# KiCad board Wirebonder.kicad_pcb (continued)
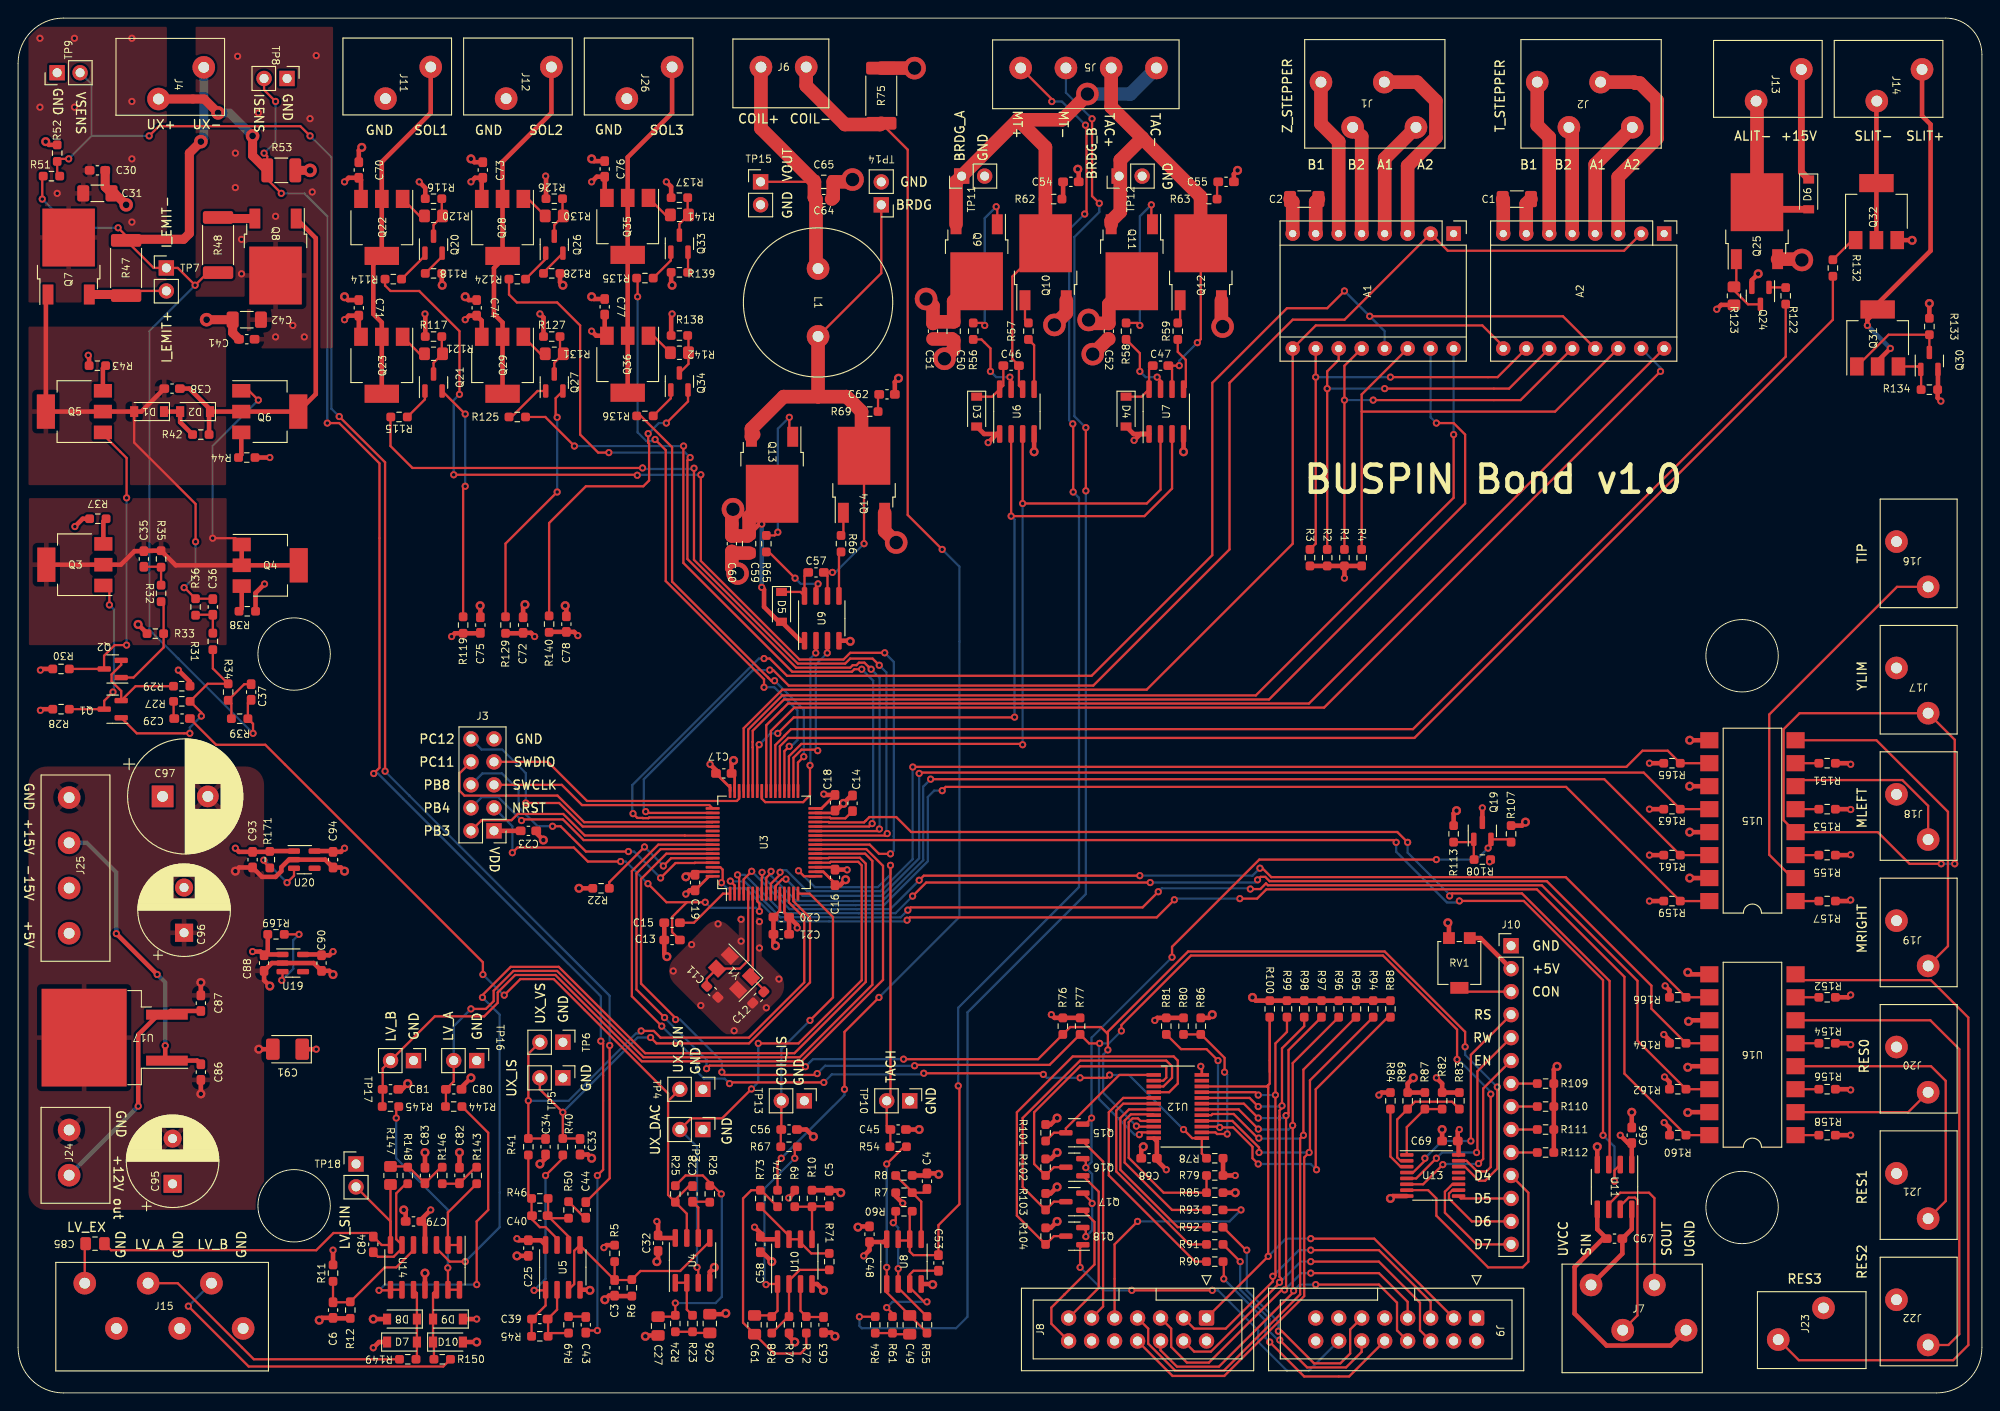
[diagram p0: board, top side]
## Placement (name value [footprint] x y rotation side) (continued)
R115  1k  [R_0603_1608Metric_Pad0.98x0.95mm_HandSolder]  42.09 107.9 180 top
R116  10k  [R_0603_1608Metric_Pad0.98x0.95mm_HandSolder]  45.91 132.03 180 top
R117  10k  [R_0603_1608Metric_Pad0.98x0.95mm_HandSolder]  45.91 116.79 0 top
R118  120R  [R_0603_1608Metric_Pad0.98x0.95mm_HandSolder]  45.91 123.78 180 top
R119  120R  [R_0603_1608Metric_Pad0.98x0.95mm_HandSolder]  49.17 84.9 90 top
R120  470R 1/4W  [R_0805_2012Metric_Pad1.20x1.40mm_HandSolder]  45.91 130.12 180 top
R121  470R 1/4W  [R_0805_2012Metric_Pad1.20x1.40mm_HandSolder]  45.91 114.88 180 top
R122  10k  [R_0603_1608Metric_Pad0.98x0.95mm_HandSolder]  195.32 121.29 270 top
R123  2.2k 1/4W  [R_0805_2012Metric_Pad1.20x1.40mm_HandSolder]  189.6 121.29 270 top
R124  1k  [R_0603_1608Metric_Pad0.98x0.95mm_HandSolder]  55.16 123.14 180 top
R125  1k  [R_0603_1608Metric_Pad0.98x0.95mm_HandSolder]  55.16 107.9 0 top
R126  10k  [R_0603_1608Metric_Pad0.98x0.95mm_HandSolder]  59.25 132.03 180 top
R127  10k  [R_0603_1608Metric_Pad0.98x0.95mm_HandSolder]  58.97 116.79 0 top
R128  120R  [R_0603_1608Metric_Pad0.98x0.95mm_HandSolder]  58.97 123.78 180 top
R129  120R  [R_0603_1608Metric_Pad0.98x0.95mm_HandSolder]  53.86 84.9 90 top
R130  470R 1/4W  [R_0805_2012Metric_Pad1.20x1.40mm_HandSolder]  59.25 130.12 180 top
R131  470R 1/4W  [R_0805_2012Metric_Pad1.20x1.40mm_HandSolder]  59.25 114.88 180 top
R132  1k  [R_0603_1608Metric_Pad0.98x0.95mm_HandSolder]  200.53 124.37 270 top
R133  2.2k  [R_0603_1608Metric_Pad0.98x0.95mm_HandSolder]  211.19 117.91 270 top
R134  18R  [R_0603_1608Metric_Pad0.98x0.95mm_HandSolder]  211.19 110.92 0 top
R135  1k  [R_0603_1608Metric_Pad0.98x0.95mm_HandSolder]  69.27 123.25 180 top
R136  1k  [R_0603_1608Metric_Pad0.98x0.95mm_HandSolder]  69.27 108.02 180 top
R137  10k  [R_0603_1608Metric_Pad0.98x0.95mm_HandSolder]  73.08 132.15 180 top
R138  10k  [R_0603_1608Metric_Pad0.98x0.95mm_HandSolder]  73.08 116.91 0 top
R139  120R  [R_0603_1608Metric_Pad0.98x0.95mm_HandSolder]  73.08 123.89 0 top
R140  120R  [R_0603_1608Metric_Pad0.98x0.95mm_HandSolder]  58.68 85 90 top
R141  470R 1/4W  [R_0805_2012Metric_Pad1.20x1.40mm_HandSolder]  73.08 130.24 180 top
R142  470R 1/4W  [R_0805_2012Metric_Pad1.20x1.40mm_HandSolder]  73.08 115 180 top
R143  1k %1  [R_0603_1608Metric_Pad0.98x0.95mm_HandSolder]  50.67 24.04 90 top
R144  56R  [R_0603_1608Metric_Pad0.98x0.95mm_HandSolder]  48.14 31.66 180 top
R145  56R  [R_0603_1608Metric_Pad0.98x0.95mm_HandSolder]  41.15 31.66 180 top
R146  4.99k %1  [R_0603_1608Metric_Pad0.98x0.95mm_HandSolder]  46.86 24.04 90 top
R147  5.9k %1  [R_0805_2012Metric_Pad1.20x1.40mm_HandSolder]  41.15 24.04 270 top
R148  665R %1  [R_0603_1608Metric_Pad0.98x0.95mm_HandSolder]  43.06 24.04 270 top
R149  2.2k  [R_0603_1608Metric_Pad0.98x0.95mm_HandSolder]  43.06 3.72 180 top
R150  2.2k  [R_0603_1608Metric_Pad0.98x0.95mm_HandSolder]  46.86 3.72 0 top
R151  470R  [R_0603_1608Metric_Pad0.98x0.95mm_HandSolder]  199.9 69.62 180 top
R152  470R  [R_0603_1608Metric_Pad0.98x0.95mm_HandSolder]  199.9 43.74 180 top
R153  470R  [R_0603_1608Metric_Pad0.98x0.95mm_HandSolder]  199.9 64.54 180 top
R154  470R  [R_0603_1608Metric_Pad0.98x0.95mm_HandSolder]  199.9 38.66 180 top
R155  470R  [R_0603_1608Metric_Pad0.98x0.95mm_HandSolder]  199.9 59.46 180 top
R156  470R  [R_0603_1608Metric_Pad0.98x0.95mm_HandSolder]  199.9 33.58 180 top
R157  470R  [R_0603_1608Metric_Pad0.98x0.95mm_HandSolder]  199.9 54.38 180 top
R158  470R  [R_0603_1608Metric_Pad0.98x0.95mm_HandSolder]  199.9 28.5 180 top
R159  10k  [R_0603_1608Metric_Pad0.98x0.95mm_HandSolder]  182.75 54.38 180 top
R160  10k  [R_0603_1608Metric_Pad0.98x0.95mm_HandSolder]  183.39 28.5 180 top
R161  10k  [R_0603_1608Metric_Pad0.98x0.95mm_HandSolder]  182.75 59.46 180 top
R162  10k  [R_0603_1608Metric_Pad0.98x0.95mm_HandSolder]  183.39 33.58 180 top
R163  10k  [R_0603_1608Metric_Pad0.98x0.95mm_HandSolder]  182.75 64.54 180 top
R164  10k  [R_0603_1608Metric_Pad0.98x0.95mm_HandSolder]  183.39 38.66 180 top
R165  10k  [R_0603_1608Metric_Pad0.98x0.95mm_HandSolder]  182.75 69.62 180 top
R166  10k  [R_0603_1608Metric_Pad0.98x0.95mm_HandSolder]  183.39 43.74 180 top
R169  10k  [R_0603_1608Metric_Pad0.98x0.95mm_HandSolder]  28.5 50.7 180 top
R171  10k  [R_0603_1608Metric_Pad0.98x0.95mm_HandSolder]  27.81 58.95 90 top
RV1  10k  [Potentiometer_Bourns_3314G_Vertical]  159.26 47.53 0 top
TP3  TestPoint_2Pole  [PinHeader_1x02_P2.54mm_Vertical]  75.67 29.12 270 top
TP4  TestPoint_2Pole  [PinHeader_1x02_P2.54mm_Vertical]  75.66 33.56 270 top
TP5  TestPoint_2Pole  [PinHeader_1x02_P2.54mm_Vertical]  60.19 34.84 270 top
TP6  TestPoint_2Pole  [PinHeader_1x02_P2.54mm_Vertical]  60.2 38.77 270 top
TP7  TestPoint_2Pole  [PinHeader_1x02_P2.54mm_Vertical]  16.38 124.38 0 top
TP8  TestPoint_2Pole  [PinHeader_1x02_P2.54mm_Vertical]  29.72 145.32 270 top
TP9  TestPoint_2Pole  [PinHeader_1x02_P2.54mm_Vertical]  4.31 145.96 90 top
TP10  TestPoint_2Pole  [PinHeader_1x02_P2.54mm_Vertical]  98.52 32.29 270 top
TP11  TestPoint_2Pole  [PinHeader_1x02_P2.54mm_Vertical]  104.26 134.53 90 top
TP12  TestPoint_2Pole  [PinHeader_1x02_P2.54mm_Vertical]  121.67 134.53 90 top
TP13  TestPoint_2Pole  [PinHeader_1x02_P2.54mm_Vertical]  86.88 32.29 270 top
TP14  TestPoint_2Pole  [PinHeader_1x02_P2.54mm_Vertical]  95.38 131.35 180 top
TP15  TestPoint_2Pole  [PinHeader_1x02_P2.54mm_Vertical]  82.05 133.9 0 top
TP16  TestPoint_2Pole  [PinHeader_1x02_P2.54mm_Vertical]  50.67 36.74 270 top
TP17  TestPoint_2Pole  [PinHeader_1x02_P2.54mm_Vertical]  43.69 36.74 270 top
TP18  TestPoint_2Pole  [PinHeader_1x02_P2.54mm_Vertical]  37.34 25.31 0 top
U3  STM32F446RCTx  [LQFP-64_10x10mm_P0.5mm]  82.42 60.87 90 top
U4  AD8656  [SOIC-8_3.9x4.9mm_P1.27mm]  74.53 14.65 90 top
U5  AD8656  [SOIC-8_3.9x4.9mm_P1.27mm]  60.19 13.88 90 top
U6  IRS2005S  [SOIC-8_3.9x4.9mm_P1.27mm]  110.37 108.5 90 top
U7  IRS2005S  [SOIC-8_3.9x4.9mm_P1.27mm]  126.88 108.5 90 top
U8  MCP6282  [SOIC-8_3.9x4.9mm_P1.27mm]  97.89 14.51 90 top
U9  IRS2005S  [SOIC-8_3.9x4.9mm_P1.27mm]  88.8 85.64 90 top
U10  MCP6282  [SOIC-8_3.9x4.9mm_P1.27mm]  85.82 14.51 90 top
U11  ISO7221  [SOIC-8_3.9x4.9mm_P1.27mm]  176.41 22.77 270 top
U12  PCA9535  [QSOP-24_3.9x8.7mm_P0.635mm]  128.15 31.66 180 top
U13  PCA9538  [TSSOP-16_4.4x5mm_P0.65mm]  156.31 24.04 0 top
U14  MC33204  [SOIC-14_3.9x8.7mm_P1.27mm]  44.96 13.88 270 top
U15  LTV-847S  [SMDIP-16_W9.53mm]  191.65 63.27 180 top
U16  LTV-847S  [SMDIP-16_W9.53mm]  191.65 37.39 180 top
U17  L7812  [TO-263-2]  10.67 39.28 180 top
U19  TLV70033_SOT23-5  [SOT-23-5]  30.36 47.53 0 top
U20  TLV73333PDBV  [SOT-23-5]  31.62 58.95 0 top
Y1  8MHz 85ohms  [Crystal_SMD_5032-4Pin_5.0x3.2mm]  79.11 46.45 135 top

## Library data of the parts
C1 C2 C31 C42 = -: Link: https://ozdisan.com/passive-components/capacitors/smt-smd-and-mlcc-capacitors/CL31A106KBHNNNE; Price: 0.10490
C3-C6 C15 C20 C29 C43 C44 C86 C88 C90 C93 C94 = -: Link: https://ozdisan.com/passive-components/capacitors/smt-smd-and-mlcc-capacitors/CL10B105KA8NNNC; Price: 0.00926
C11 C12 = -: Link: https://ozdisan.com/passive-components/capacitors/smt-smd-and-mlcc-capacitors/CL10C180JB8NNNC; Price: 0.00487
C13 C16-C19 C21 C23 C25 C30 C32 C38 C41 C45-C48 C51-C53 C56-C58 C60 C64 C66-C81 C87 = -: Link: https://ozdisan.com/passive-components/capacitors/smt-smd-and-mlcc-capacitors/CL10B104KB8NNNC; Price: 0.00448
C14 = -: Link: https://ozdisan.com/passive-components/capacitors/smt-smd-and-mlcc-capacitors/CL10A475KQ8NNNC; Price: 0.01079
C26 C27 = -: Link: https://ozdisan.com/passive-components/capacitors/smt-smd-and-mlcc-capacitors/CL21B682JBANNNC; Price: 0.06185
C28 = -: Link: https://ozdisan.com/passive-components/capacitors/smt-smd-and-mlcc-capacitors/CL10C681JB8NNNC; Price: 0.01257
C33 C34 = -: Link: https://ozdisan.com/passive-components/capacitors/smt-smd-and-mlcc-capacitors/CL10C103JA8NNNC; Price: 0.07588
C35-C37 C39 C40 = -: Link: https://ozdisan.com/passive-components/capacitors/smt-smd-and-mlcc-capacitors/CL10C120JB8NNNC; Price: 0.00532
C49 = -: Link: https://ozdisan.com/passive-components/capacitors/smt-smd-and-mlcc-capacitors/CL21B124JACNNNC; Price: 0.03221
C50 C59 C65 C85 = -: Link: https://ozdisan.com/passive-components/capacitors/smt-smd-and-mlcc-capacitors/CL21A106KAYNNNE; Price: 0.04807
C54 C55 C62 = -: Link: https://ozdisan.com/passive-components/capacitors/smt-smd-and-mlcc-capacitors/CL10B102KB8NNNC; Price: 0.00532
C61 = -: Link: https://ozdisan.com/passive-components/capacitors/smt-smd-and-mlcc-capacitors/CL21B123KBANNNC; Price: 0.05173
C63 C84 = -: Link: https://ozdisan.com/passive-components/capacitors/smt-smd-and-mlcc-capacitors/GRM1885C1H103JA01D; Price: 0.04050
C82 = -: Link: https://ozdisan.com/passive-components/capacitors/smt-smd-and-mlcc-capacitors/06035C223JAT2A; Price: 0.03087
C83 = -: Link: https://ozdisan.com/passive-components/capacitors/smt-smd-and-mlcc-capacitors/CL10B683KB8NNNC; Price: 0.00772
C91 = -: Link: https://ozdisan.com/passive-components/capacitors/tantalum-capacitors/T491B475M020AT; Price: 0.20620
C95 C96 = -: Link: https://ozdisan.com/passive-components/capacitors/aluminum-capacitors/PKLH-025V102MG200-TA5-0; Price: 0.13444
C97 = -: Link: https://ozdisan.com/passive-components/capacitors/aluminum-capacitors/PKLH-025V222MI220-TA5-0; Price: 0.29935
D1-D10 = -: Link: https://ozdisan.com/power-semiconductors/diodes-diode-modules-and-rectifiers/general-purpose-diodes/1N4148W-HT; Price: 0.01562
J1 J2 J7 = -: Link: https://ozdisan.com/Product/Detail/652297/DG250-3-5-04P-11-00AH; Price: 0.28808
J4 J11-J14 J16-J23 J26 = -: Link: https://ozdisan.com/connectors-and-interconnects/terminal-blocks/pcb-terminal-blocks/DG250-3-5-02P-11-00AH; Price: 0.10187
J5 J25 = -: Link: https://ozdisan.com/connectors-and-interconnects/terminal-blocks/pcb-terminal-blocks/DG301-5-0-04P-12-00AH; Price: 0.21126
J6 J24 = -: Link: https://ozdisan.com/connectors-and-interconnects/terminal-blocks/pcb-terminal-blocks/DG301-5-0-02P-12-00AH; Price: 0.11212
J8 = -: Link: https://ozdisan.com/connectors-and-interconnects/headers/box-headers/5BH1SDD88-14G05AL-00; Price: 0.14237
J9 = -: Link: https://ozdisan.com/connectors-and-interconnects/headers/box-headers/DS1013-16SSIB1; Price: 0.09492
J10 = -: Link: https://ozdisan.com/connectors-and-interconnects/headers/pin-headers/DS1021-1X14SF11-B; Price: 0.09638
J15 = -: Link: https://ozdisan.com/connectors-and-interconnects/terminal-blocks/pcb-terminal-blocks/DG250-3-5-06P-11-00AH; Price: 0.28808
L1 = -: Current: 5A; Inductance: 100uH; Link: https://ozdisan.com/passive-components/inductors/fixed-inductors/RC1415U-101K; Price: 1.21707
Q1 Q2 Q19 Q20 Q24 Q26 Q33 = -: Link: https://ozdisan.com/power-semiconductors/transistors/discrete-transistors/BC817-40215; Price: 0.02586
Q3 Q5 Q22 Q28 Q31 Q35 = -: Link: https://ozdisan.com/power-semiconductors/transistors/discrete-transistors/BCP53-16115; Price: 0.13099
Q4 Q6 Q23 Q29 Q32 Q36 = -: Link: https://ozdisan.com/power-semiconductors/transistors/discrete-transistors/BCP56-16115; Price: 0.13110
Q7 = -: Link: https://ozdisan.com/Product/Detail/448870/MJD45H11T4G; Price: 0.55649
Q8 = -: Link: https://ozdisan.com/Product/Detail/448869/MJD44H11T4G; Price: 0.39273
Q9-Q14 = -: Link: https://ozdisan.com/power-semiconductors/mosfets/discrete-mosfets/P25B6EB-5071; Price: 0.76360
Q15-Q18 Q21 Q27 Q30 Q34 = -: Link: https://ozdisan.com/power-semiconductors/transistors/discrete-transistors/BC807-40215; Price: 0.02281
Q25 = -: Link: https://ozdisan.com/power-semiconductors/mosfets/discrete-mosfets/FDD3860; Price: 1.00545
R1-R12 R22 R78 R84-R89 R94-R104 R107 R109-R112 R116 R117 R122 R126 R127 R137 R138 R159-R166 R169 R171 = -: Link: https://ozdisan.com/passive-components/resistors/smt-smd-and-chip-resistors/0603SAF1002T5E; Price: 0.00221
R23 R26 = -: Link: https://ozdisan.com/passive-components/resistors/smt-smd-and-chip-resistors/0603SAF5360T5E; Price: 0.00221
R24 = -: Link: https://ozdisan.com/passive-components/resistors/smt-smd-and-chip-resistors/0603SAF8870T5E; Price: 0.00221
R25 = -: Link: https://ozdisan.com/passive-components/resistors/smt-smd-and-chip-resistors/0603SAF1431T5E; Price: 0.00221
R27 R33 = -: Link: https://ozdisan.com/passive-components/resistors/smt-smd-and-chip-resistors/0603SAF6800T5E; Price: 0.00221
R28 R30 R90-R93 R151-R158 = -: Link: https://ozdisan.com/passive-components/resistors/smt-smd-and-chip-resistors/0603SAF4700T5E; Price: 0.00221
R29 = -: Link: https://ozdisan.com/passive-components/resistors/smt-smd-and-chip-resistors/0603SAF3301T5E; Price: 0.00221
R31 R32 R34 R42 R79-R83 = -: Link: https://ozdisan.com/passive-components/resistors/smt-smd-and-chip-resistors/0603SAJ0000TDE; Price: 0.00221
R35 R36 = -: Link: https://ozdisan.com/passive-components/resistors/smt-smd-and-chip-resistors/0603SAJ0105T5E; Price: 0.00169
R37 R38 R43 R44 R62 R63 R69 = -: Link: https://ozdisan.com/passive-components/resistors/smt-smd-and-chip-resistors/0603SAF470JT5E; Price: 0.00221
R39 R45 R46 = -: Link: https://ozdisan.com/passive-components/resistors/smt-smd-and-chip-resistors/0603SAF8201T5E; Price: 0.00221
R40 R41 R54 R67 R144 R145 = -: Link: https://ozdisan.com/passive-components/resistors/smt-smd-and-chip-resistors/0603SAF560JT5E; Price: 0.00221
R47 R48 = -: Link: https://ozdisan.com/passive-components/resistors/smt-smd-and-chip-resistors/25121WF330LT4E; Price: 0.10712
R49 R51 R76 R77 R133 R149 R150 = -: Link: https://ozdisan.com/passive-components/resistors/smt-smd-and-chip-resistors/0603SAF2201T5E; Price: 0.00221
R50 = -: Link: https://ozdisan.com/passive-components/resistors/smt-smd-and-chip-resistors/0603SAF2151T5E; Price: 0.00221
R52 = -: Link: https://ozdisan.com/passive-components/resistors/smt-smd-and-chip-resistors/0603SAF619JT5E; Price: 0.00221
R53 = -: Link: https://ozdisan.com/passive-components/resistors/smt-smd-and-chip-resistors/CQ07S3F100KT5E; Price: 0.05112
R55 R146 = -: Link: https://ozdisan.com/passive-components/resistors/smt-smd-and-chip-resistors/0603SAF4991T5E; Price: 0.002221
R56-R59 R65 R66 = -: Link: https://ozdisan.com/passive-components/resistors/smt-smd-and-chip-resistors/0603SAJ082JT5E; Price: 0.00168
R60 = -: Link: https://ozdisan.com/passive-components/resistors/smt-smd-and-chip-resistors/0603SAF2491T5E; Price: 0.002221
R61 = -: Link: https://ozdisan.com/passive-components/resistors/smt-smd-and-chip-resistors/0603SAF3162T5E; Price: 0.00221
R64 = -: Link: https://ozdisan.com/passive-components/resistors/smt-smd-and-chip-resistors/0603SAF6651T5E; Price: 0.002221
R68 = -: Link: https://ozdisan.com/passive-components/resistors/smt-smd-and-chip-resistors/0603SAF3322T5E; Price: 0.00221
R70 R74 = -: Link: https://ozdisan.com/passive-components/resistors/smt-smd-and-chip-resistors/0603SAF4871T5E; Price: 0.00221
R71 R73 = -: Link: https://ozdisan.com/passive-components/resistors/smt-smd-and-chip-resistors/0603SAF1432T5E; Price: 0.00221
R72 = -: Link: https://ozdisan.com/passive-components/resistors/smt-smd-and-chip-resistors/0603SAF5762T5E; Price: 0.00221
R75 = -: Link: https://ozdisan.com/passive-components/resistors/precision-power-and-shunt-resistors/CMS-R100-1-0-3000; Price: 0.57604
R108 R114 R115 R124 R125 R132 R135 R136 R143 = -: Link: https://ozdisan.com/passive-components/resistors/smt-smd-and-chip-resistors/0603SAF1001T5E; Price: 0.00221
R113 = -: Link: https://ozdisan.com/passive-components/resistors/smt-smd-and-chip-resistors/0603SAJ0472T5E; Price: 0.00169
R118 R119 R128 R129 R139 R140 = -: Link: https://ozdisan.com/passive-components/resistors/smt-smd-and-chip-resistors/0603WAJ0121T5E; Price: 0.00169
R120 R121 R130 R131 R141 R142 = -: Link: https://ozdisan.com/passive-components/resistors/smt-smd-and-chip-resistors/HP05W3F4700T5E; Price: 0.01040
R123 = -: Link: https://ozdisan.com/passive-components/resistors/smt-smd-and-chip-resistors/HP05W3F2201T5E; Price: 0.01040
R134 = -: Link: https://ozdisan.com/passive-components/resistors/smt-smd-and-chip-resistors/0603SAJ0180T5E; Price: 0.00169
R147 = -: Link: https://ozdisan.com/passive-components/resistors/smt-smd-and-chip-resistors/0805S8F5901T5E; Price: 0.00377
R148 = -: Link: https://ozdisan.com/passive-components/resistors/smt-smd-and-chip-resistors/0603SAF6650T5E; Price: 0.00221
RV1 = -: Link: https://ozdisan.com/electromechanical-components/potentiometers-and-variable-resistors/trimmer-potentiometers/3313J-1-103E; Price: 0.58363
TP3-TP18 = -: Link: https://ozdisan.com/connectors-and-interconnects/headers/pin-headers/L-KLS1-207-1-02-S; Price: 0.1293
U3 = -: Link: https://ozdisan.com/integrated-circuits-ics/embedded-ics/microcontrollers/STM32F446RCT6; Price: 14.41001
U4 U5 = -: Link: https://ozdisan.com/integrated-circuits-ics/linear-ics/amplifiers/AD8656ARZ-REEL7; Price: 5.66346
U6 U7 U9 = -: Link: https://ozdisan.com/integrated-circuits-ics/power-management-ics/power-drivers/IRS2005STRPBF; Price: 1.63317
U8 U10 = -: Link: https://ozdisan.com/integrated-circuits-ics/linear-ics/amplifiers/MCP6282T-ESN; Price: 1.96988
U11 = -: Link: https://ozdisan.com/integrated-circuits-ics/interfaces-and-peripherals-ics/digital-isolators/ISO7221ADR; Price: 4.9247
U12 = -: Link: https://ozdisan.com/integrated-circuits-ics/interfaces-and-peripherals-ics/io-expanders/PCA9535DBQR; Price: 1.99925
U13 = -: Link: https://ozdisan.com/integrated-circuits-ics/interfaces-and-peripherals-ics/io-expanders/PCA9538PWR; Price: 1.83073
U14 = -: Link: https://ozdisan.com/integrated-circuits-ics/linear-ics/amplifiers/MC33204DR2G; Price: 1.34167
U15 U16 = -: Link: https://ozdisan.com/Product/Detail/362511/LTV-847S; Price: 0.47358
U17 = -: Link: https://ozdisan.com/integrated-circuits-ics/power-management-ics/linear-voltage-regulators/L7812CD2T-TR; Price: 0.46966
U19 = -: Link: https://ozdisan.com/integrated-circuits-ics/power-management-ics/linear-voltage-regulators/TLV70033DDCR; Price: 0.22709
U20 = -: Link: https://ozdisan.com/Product/Detail/532538/TLV73333PDBVR; Price: 0.16754
Y1 = -: Link: https://ozdisan.com/passive-components/crystals-oscillators-and-resonators/crystals/H130B-8-000-18-3030-EXT-; Price: 0.44011

## Footprints (pads in the part's own frame, mm; a bottom-side part is the same pattern mirrored in y, then rotated)
C_0603_1608Metric_Pad1.08x0.95mm_HandSolder
  rrect 1.075x0.95 smd: 1(-0.863,0) 2(0.863,0)
C_0805_2012Metric_Pad1.18x1.45mm_HandSolder
  rrect 1.175x1.45 smd: 1(-1.038,0) 2(1.038,0)
C_1206_3216Metric_Pad1.33x1.80mm_HandSolder
  rrect 1.325x1.8 smd: 1(-1.562,0) 2(1.562,0)
CP_EIA-3528-21_Kemet-B_Pad1.50x2.35mm_HandSolder
  rrect 1.5x2.35 smd: 1(-1.625,0) 2(1.625,0)
CP_Radial_D10.0mm_P5.00mm
  rect 2x2 hole 1: 1(0,0)
  round 2 hole 1: 2(5,0)
CP_Radial_D12.5mm_P5.00mm
  rect 2.4x2.4 hole 1.2: 1(0,0)
  round 2.4 hole 1.2: 2(5,0)
Crystal_SMD_5032-4Pin_5.0x3.2mm
  rect 1.6x1.3 smd: 1(-1.65,-1) 2(1.65,-1) 3(1.65,1) 4(-1.65,1)
D_SOD-123
  rect 0.9x1.2 smd: 1(-1.65,0) 2(1.65,0)
DG250-3-5-02P-11-00AH
  round 2.5 hole 1.2: 1(-1.75,3) 2(1.75,-2)
DG250-3-5-04P-11-00AH
  round 2.5 hole 1.2: 1(-5.25,2.5) 2(-1.75,-2.5) 3(1.75,2.5) 4(5.25,-2.5)
DG250-3-5-06P-11-00AH
  round 2.5 hole 1.2: 1(-8.75,2.5) 2(-5.25,-2.5) 3(-1.75,2.5) 4(1.75,-2.5) 5(5.25,2.5) 6(8.75,-2.5)
DG301-5.0-02P-12-00AH
  round 2.5 hole 1.2: 1(-2.5,0) 2(2.5,0)
DG301-5.0-04P-12-00AH
  round 2.5 hole 1.2: 1(-7.8,0.1) 2(-2.8,0.1) 3(2.2,0.1) 4(7.2,0.1)
DG301-5.0-04P-12-00AH#2
  round 2.5 hole 1.2: 1(-7.5,0) 2(-2.5,0) 3(2.5,0) 4(7.5,0)
IDC-Header_2x07_P2.54mm_Vertical
  rrect 1.7x1.7 hole 1: 1(0,0)
  round 1.7 hole 1: 2(2.54,0) 3(0,-2.54) 4(2.54,-2.54) 5(0,-5.08) 6(2.54,-5.08) 7(0,-7.62) 8(2.54,-7.62) 9(0,-10.16) 10(2.54,-10.16) 11(0,-12.7) 12(2.54,-12.7) 13(0,-15.24) 14(2.54,-15.24)
IDC-Header_2x08_P2.54mm_Vertical
  rrect 1.7x1.7 hole 1: 1(0,0)
  round 1.7 hole 1: 2(2.54,0) 3(0,-2.54) 4(2.54,-2.54) 5(0,-5.08) 6(2.54,-5.08) 7(0,-7.62) 8(2.54,-7.62) 9(0,-10.16) 10(2.54,-10.16) 11(0,-12.7) 12(2.54,-12.7) 13(0,-15.24) 14(2.54,-15.24) 15(0,-17.78) 16(2.54,-17.78)
LQFP-64_10x10mm_P0.5mm
  rrect 1.55x0.3 smd: 1(-5.675,3.75) 2(-5.675,3.25) 3(-5.675,2.75) 4(-5.675,2.25) 5(-5.675,1.75) 6(-5.675,1.25) 7(-5.675,0.75) 8(-5.675,0.25) 9(-5.675,-0.25) 10(-5.675,-0.75) 11(-5.675,-1.25) 12(-5.675,-1.75) 13(-5.675,-2.25) 14(-5.675,-2.75) 15(-5.675,-3.25) 16(-5.675,-3.75) 33(5.675,-3.75) 34(5.675,-3.25) 35(5.675,-2.75) 36(5.675,-2.25) 37(5.675,-1.75) 38(5.675,-1.25) 39(5.675,-0.75) 40(5.675,-0.25) 41(5.675,0.25) 42(5.675,0.75) 43(5.675,1.25) 44(5.675,1.75) 45(5.675,2.25) 46(5.675,2.75) 47(5.675,3.25) 48(5.675,3.75)
  rrect 0.3x1.55 smd: 17(-3.75,-5.675) 18(-3.25,-5.675) 19(-2.75,-5.675) 20(-2.25,-5.675) 21(-1.75,-5.675) 22(-1.25,-5.675) 23(-0.75,-5.675) 24(-0.25,-5.675) 25(0.25,-5.675) 26(0.75,-5.675) 27(1.25,-5.675) 28(1.75,-5.675) 29(2.25,-5.675) 30(2.75,-5.675) 31(3.25,-5.675) 32(3.75,-5.675) 49(3.75,5.675) 50(3.25,5.675) 51(2.75,5.675) 52(2.25,5.675) 53(1.75,5.675) 54(1.25,5.675) 55(0.75,5.675) 56(0.25,5.675) 57(-0.25,5.675) 58(-0.75,5.675) 59(-1.25,5.675) 60(-1.75,5.675) 61(-2.25,5.675) 62(-2.75,5.675) 63(-3.25,5.675) 64(-3.75,5.675)
PinHeader_1x02_P2.54mm_Vertical
  rect 1.7x1.7 hole 1: 1(0,0)
  oval 1.7x1.7 hole 1: 2(0,-2.54)
PinHeader_1x14_P2.54mm_Vertical
  rect 1.7x1.7 hole 1: 1(0,0)
  oval 1.7x1.7 hole 1: 2(0,-2.54) 3(0,-5.08) 4(0,-7.62) 5(0,-10.16) 6(0,-12.7) 7(0,-15.24) 8(0,-17.78) 9(0,-20.32) 10(0,-22.86) 11(0,-25.4) 12(0,-27.94) 13(0,-30.48) 14(0,-33.02)
PinHeader_2x05_P2.54mm_Vertical
  rect 1.7x1.7 hole 1: 1(0,0)
  oval 1.7x1.7 hole 1: 2(2.54,0) 3(0,-2.54) 4(2.54,-2.54) 5(0,-5.08) 6(2.54,-5.08) 7(0,-7.62) 8(2.54,-7.62) 9(0,-10.16) 10(2.54,-10.16)
Pololu_Breakout-16_15.2x20.3mm
  rect 1.6x1.6 hole 0.8: 1(0,0)
  oval 1.6x1.6 hole 0.8: 2(0,-2.54) 3(0,-5.08) 4(0,-7.62) 5(0,-10.16) 6(0,-12.7) 7(0,-15.24) 8(0,-17.78) 9(12.7,-17.78) 10(12.7,-15.24) 11(12.7,-12.7) 12(12.7,-10.16) 13(12.7,-7.62) 14(12.7,-5.08) 15(12.7,-2.54) 16(12.7,0)
Potentiometer_Bourns_3314G_Vertical
  rect 1.3x1.3 smd: 1(1.15,2.75) 3(-1.15,2.75)
  rect 2x1.3 smd: 2(0,-2.75)
QSOP-24_3.9x8.7mm_P0.635mm
  rect 1.6x0.41 smd: 1(-2.654,3.493) 2(-2.654,2.857) 3(-2.654,2.223) 4(-2.654,1.587) 5(-2.654,0.953) 6(-2.654,0.318) 7(-2.654,-0.318) 8(-2.654,-0.953) 9(-2.654,-1.587) 10(-2.654,-2.223) 11(-2.654,-2.857) 12(-2.654,-3.493) 13(2.654,-3.493) 14(2.654,-2.857) 15(2.654,-2.223) 16(2.654,-1.587) 17(2.654,-0.953) 18(2.654,-0.318) 19(2.654,0.318) 20(2.654,0.953) 21(2.654,1.587) 22(2.654,2.223) 23(2.654,2.857) 24(2.654,3.493)
R_0603_1608Metric_Pad0.98x0.95mm_HandSolder
  rrect 0.975x0.95 smd: 1(-0.912,0) 2(0.912,0)
R_0805_2012Metric_Pad1.20x1.40mm_HandSolder
  rrect 1.2x1.4 smd: 1(-1,0) 2(1,0)
R_1210_3225Metric_Pad1.30x2.65mm_HandSolder
  rrect 1.3x2.65 smd: 1(-1.55,0) 2(1.55,0)
R_2512_6332Metric_Pad1.40x3.35mm_HandSolder
  rrect 1.4x3.35 smd: 1(-3.05,0) 2(3.05,0)
RC1415U-101K
  round 2.5 hole 1.2: 1(-3.75,0) 2(3.75,0)
SMDIP-16_W9.53mm
  rect 2x1.78 smd: 1(-4.765,8.89) 2(-4.765,6.35) 3(-4.765,3.81) 4(-4.765,1.27) 5(-4.765,-1.27) 6(-4.765,-3.81) 7(-4.765,-6.35) 8(-4.765,-8.89) 9(4.765,-8.89) 10(4.765,-6.35) 11(4.765,-3.81) 12(4.765,-1.27) 13(4.765,1.27) 14(4.765,3.81) 15(4.765,6.35) 16(4.765,8.89)
SOIC-8_3.9x4.9mm_P1.27mm
  rrect 1.95x0.6 smd: 1(-2.475,1.905) 2(-2.475,0.635) 3(-2.475,-0.635) 4(-2.475,-1.905) 5(2.475,-1.905) 6(2.475,-0.635) 7(2.475,0.635) 8(2.475,1.905)
SOIC-14_3.9x8.7mm_P1.27mm
  rrect 1.95x0.6 smd: 1(-2.475,3.81) 2(-2.475,2.54) 3(-2.475,1.27) 4(-2.475,0) 5(-2.475,-1.27) 6(-2.475,-2.54) 7(-2.475,-3.81) 8(2.475,-3.81) 9(2.475,-2.54) 10(2.475,-1.27) 11(2.475,0) 12(2.475,1.27) 13(2.475,2.54) 14(2.475,3.81)
SOT-23
  rrect 1.475x0.6 smd: 1(-0.938,0.95) 2(-0.938,-0.95) 3(0.938,0)
SOT-23-5
  rrect 1.325x0.6 smd: 1(-1.137,0.95) 2(-1.137,0) 3(-1.137,-0.95) 4(1.137,-0.95) 5(1.137,0.95)
SOT-223
  rect 2x1.5 smd: 1(-3.15,2.3) 2(-3.15,0) 3(-3.15,-2.3)
  rect 2x3.8 smd: 4(3.15,0)
TO-252-2
  rect 3.05x2.75 smd: (0.425,1.525) (0.425,-1.525) (3.775,1.525) (3.775,-1.525)
  rect 2.2x1.2 smd: 1(-4.2,2.28) 3(-4.2,-2.28)
  rect 6.4x5.8 smd: 2(2.1,0)
TO-263-2
  rect 4.55x5.25 smd: (0.95,2.775) (0.95,-2.775) (5.8,2.775) (5.8,-2.775)
  rect 4.6x1.1 smd: 1(-5.775,2.54) 3(-5.775,-2.54)
  rect 9.4x10.8 smd: 2(3.375,0)
TSSOP-16_4.4x5mm_P0.65mm
  rrect 1.475x0.4 smd: 1(-2.862,2.275) 2(-2.862,1.625) 3(-2.862,0.975) 4(-2.862,0.325) 5(-2.862,-0.325) 6(-2.862,-0.975) 7(-2.862,-1.625) 8(-2.862,-2.275) 9(2.862,-2.275) 10(2.862,-1.625) 11(2.862,-0.975) 12(2.862,-0.325) 13(2.862,0.325) 14(2.862,0.975) 15(2.862,1.625) 16(2.862,2.275)

## Nets
+5V: C88.2 C93.2 C95.1 J10.2 J25.1 Q19.3 Q30.2 R108.1 R134.2 R151.1 R152.1 R153.1 R154.1 R155.1 R156.1 R157.1 R158.1 R169.2 R171.2 RV1.1 U19.1 U20.1
+12V: C87.1 J24.1 U17.3
+15V: A1.8 A2.8 C1.2 C2.2 C30.1 C31.1 C50.1 C51.1 C52.1 C59.1 C60.1 C70.1 C73.1 C76.1 C86.2 C97.1 D3.2 D4.2 D5.2 D6.1 J13.1 J25.3 Q7.2 Q9.2 Q11.2 Q13.2 Q22.3 Q28.3 Q35.3 R28.2 R30.2 R37.2 R43.2 R116.2 R123.2 R126.2 R137.2 U6.1 U7.1 U9.1 U17.1
-15V: C41.1 C42.1 C71.2 C74.2 C77.2 C96.2 J25.2 Q8.2 Q23.3 Q29.3 Q36.3 R29.1 R38.1 R44.1 R117.1 R127.1 R138.1
GND: A1.1 A1.7 A2.1 A2.7 C1.1 C2.1 C3.1 C4.1 C5.1 C6.1 C11.1 C12.1 C13.1 C14.2 C15.1 C16.1 C17.1 C18.1 C19.1 C20.2 C21.2 C23.1 C25.1 C26.2 C27.2 C30.2 C31.2 C32.1 C33.1 C34.1 C41.2 C42.2 C45.2 C48.1 C50.2 C51.2 C52.2 C54.2 C55.2 C56.2 C58.1 C59.2 C60.2 C62.2 C63.1 C64.2 C65.2 C66.2 C68.2 C69.1 C70.2 C71.1 C72.2 C73.2 C74.1 C75.2 C76.2 C77.1 C78.2 C79.2 C80.2 C81.2 C82.2 C83.2 C86.1 C87.2 C88.1 C90.1 C91.2 C93.1 C94.1 C95.2 C96.1 C97.2 D8.2 D10.2 J3.9 J8.2 J9.2 J10.1 J11.2 J12.2 J15.2 J15.4 J15.6 J16.2 J17.2 J18.2 J19.2 J20.2 J21.2 J22.2 J23.2 J24.2 J25.4 J26.2 Q10.3 Q12.3 Q14.3 Q24.2 Q25.3 Q32.3 R6.2 R8.2 R10.2 R12.2 R22.2 R33.1 R52.2 R53.2 R70.2 R75.2 R85.2 R86.2 R87.2 R88.2 R89.2 R94.1 R95.1 R96.1 R97.1 R98.1 R99.1 R100.1 R101.1 R102.1 R103.1 R104.1 R107.2 R109.2 R110.2 R111.2 R112.2 R113.2 R118.1 R128.1 R133.1 R139.1 RV1.3 TP3.1 TP4.1 TP5.1 TP6.1 TP8.1 TP9.1 TP10.1 TP11.2 TP12.2 TP13.1 TP14.2 TP15.2 TP16.1 TP17.1 TP18.1 U3.12 U3.18 U3.31 U3.47 U3.63 U4.4 U5.4 U6.4 U7.4 U8.4 U9.4 U10.4 U11.4 U12.12 U13.8 U14.11 U15.9 U15.11 U15.13 U15.15 U16.9 U16.11 U16.13 U16.15 U17.2 U19.2 U20.2 Y1.2 Y1.4
VDD: C16.2 C17.2 C18.2 C19.2 C23.2 C66.1 C68.1 C69.2 C72.1 C75.1 C78.1 C94.2 J3.1 R1.2 R2.2 R3.2 R4.2 R76.2 R77.2 R78.1 R79.2 R80.2 R81.2 R82.2 R83.2 R84.1 R119.1 R129.1 R140.1 R159.2 R160.2 R161.2 R162.2 R163.2 R164.2 R165.2 R166.2 U3.19 U3.32 U3.48 U3.64 U11.1 U12.24 U13.16 U20.5
VDDA: C20.1 C21.1 C25.2 C32.2 C48.2 C58.2 C79.1 C90.2 C91.1 D7.1 D9.1 R5.1 R7.1 R9.1 R11.1 U3.13 U4.8 U5.8 U8.8 U10.8 U14.4 U19.5
/contact_sensors/MOUSE_LEFT: R163.1 U3.11 U15.12
/contact_sensors/MOUSE_RIGHT: R165.1 U3.10 U15.10
/contact_sensors/RES0: R160.1 U3.62 U16.16
/contact_sensors/RES1: R162.1 U3.2 U16.14
/contact_sensors/RES2: R164.1 U3.3 U16.12
/contact_sensors/RES3: R166.1 U3.4 U16.10
/contact_sensors/TIP: R159.1 U3.8 U15.16
/contact_sensors/Y_LIM: R161.1 U3.9 U15.14
/drives/AREALIGHT_nPWM: R122.2 U3.38
/drives/nAREALIGHT: D6.2 J13.2 Q25.2
/drives/nSPOTLIGHT: J14.2 Q32.2 Q32.4
/drives/SOL1: J11.1 Q22.2 Q22.4 Q23.2 Q23.4
/drives/SOL1H: R114.2 U3.24
/drives/SOL1L: R115.2 U3.26
/drives/SOL2: J12.1 Q28.2 Q28.4 Q29.2 Q29.4
/drives/SOL2H: R124.2 U3.27
/drives/SOL2L: R125.2 U3.28
/drives/SOL3: J26.1 Q35.2 Q35.4 Q36.2 Q36.4
/drives/SOL3H: R135.2 U3.36
/drives/SOL3L: R136.2 U3.33
/drives/SPOTLIGHT: J14.1 Q31.2 Q31.4
/drives/SPOTLIGHT_PWM: R132.2 U3.37
/force_coil/ISENS: C56.1 R67.1 TP13.2 U3.16
/force_coil/nPWM: U3.34 U9.3
/force_coil/PWM: U3.41 U9.2
/interface/D4: J10.11 U13.7
/interface/D5: J10.12 U13.9
/interface/D6: J10.13 U13.10
/interface/D7: J10.14 U13.11
/interface/EN: J10.6 U13.6
/interface/INT: R78.2 U3.57 U12.1
/interface/RS: J10.4 U13.4
/interface/RW: J10.5 U13.5
/interface/SCL: R76.1 U3.58 U12.22 U13.14
/interface/SDA: R77.1 U3.59 U12.23 U13.15
/lvdt/A: C80.1 R144.2 TP16.2 U3.22
/lvdt/B: C81.1 R145.2 TP17.2 U3.23
/lvdt/SIGNAL: U3.21 U14.3
/mcu/NRST: C13.2 J3.3 U3.7
/mcu/PB3: J3.2 U3.55
/mcu/PB4: J3.4 U3.56
/mcu/PB8: J3.6 U3.61
/mcu/PC11: J3.8 U3.52
/mcu/PC12: J3.10 U3.53
/mcu/SERIAL_RX: U3.25 U11.2
/mcu/SERIAL_TX: U3.29 U11.3
/mcu/STEPPER_EN: A1.9 A2.9 U3.45
/mcu/STEPPER_FAULT: A1.2 A2.2 U3.50
/mcu/STEPPER_RESET: A1.13 A2.13 U3.51
/mcu/STEPPER_TEAR_DIR: A2.16 U3.40
/mcu/STEPPER_TEAR_STEP: A2.15 U3.39
/mcu/STEPPER_Y_DIR: A1.16 U3.44
/mcu/STEPPER_Y_STEP: A1.15 U3.43
/mcu/SWCLK: J3.5 U3.49
/mcu/SWDIO: J3.7 U3.46
/mcu/ULTRASONIC_ISENS: C33.2 R40.1 TP5.2 U3.15
/mcu/ULTRASONIC_SIGNAL: TP3.2 U3.20 U4.3
/mcu/ULTRASONIC_VSENS: C34.2 R41.1 TP6.2 U3.14
/mcu/ZMOTOR_nPWM: U3.35 U6.3 U7.2
/mcu/ZMOTOR_PWM: U3.42 U6.2 U7.3
/mcu/ZMOTOR_TACHOMETER: C45.1 R54.1 TP10.2 U3.17
Net-(A1-Pad3): A1.3 J1.2
Net-(A1-Pad4): A1.4 J1.1
Net-(A1-Pad5): A1.5 J1.3
Net-(A1-Pad6): A1.6 J1.4
Net-(A1-Pad10): A1.10 A2.10 R3.1
Net-(A1-Pad11): A1.11 A2.11 R2.1
Net-(A1-Pad12): A1.12 A2.12 R1.1
Net-(A1-Pad14): A1.14 A2.14 R4.1
Net-(A2-Pad3): A2.3 J2.2
Net-(A2-Pad4): A2.4 J2.1
Net-(A2-Pad5): A2.5 J2.3
Net-(A2-Pad6): A2.6 J2.4
Net-(C3-Pad2): C3.2 R5.2 R6.1 U4.5 U5.3 U5.5
Net-(C4-Pad2): C4.2 R7.2 R8.1 U8.5
Net-(C5-Pad2): C5.2 R9.2 R10.1 U10.5
Net-(C6-Pad2): C6.2 R11.2 R12.1 U14.5
Net-(C11-Pad2): C11.2 U3.5 Y1.3
Net-(C12-Pad2): C12.2 U3.6 Y1.1
Net-(C14-Pad1): C14.1 U3.30
Net-(C15-Pad2): C15.2 U3.1
Net-(C26-Pad1): C26.1 R23.2 R24.1
Net-(C27-Pad1): C27.1 R24.2 R25.1 R26.1
Net-(C28-Pad1): C28.1 R26.2 U4.6
Net-(C28-Pad2): C28.2 C29.1 R25.2 TP4.2 U4.7
Net-(C29-Pad2): C29.2 R27.2
Net-(C35-Pad1): C35.1 R32.1 R35.2
Net-(C35-Pad2): C35.2 Q3.2 Q3.4 Q4.1 Q4.2 Q4.4 Q6.1 R35.1
Net-(C36-Pad1): C36.1 R31.1 R36.1
Net-(C36-Pad2): C36.2 C38.2 D1.2 Q5.2 Q5.4 Q7.1 R36.2
Net-(C37-Pad1): C37.1 J4.1 R39.1 R47.2 R48.1 R51.1 TP7.1
Net-(C37-Pad2): C37.2 R34.2 R39.2
Net-(C38-Pad1): C38.1 D2.1 Q6.2 Q6.4 Q8.1 R42.2
Net-(C39-Pad1): C39.1 R40.2 R45.2 U5.1
Net-(C39-Pad2): C39.2 R45.1 R49.1 U5.2
Net-(C40-Pad1): C40.1 R41.2 R46.1 U5.7
Net-(C40-Pad2): C40.2 R46.2 R50.1 U5.6
Net-(C43-Pad1): C43.1 R49.2
Net-(C43-Pad2): C43.2 J4.2 R53.1 TP8.2
Net-(C44-Pad1): C44.1 R50.2
Net-(C44-Pad2): C44.2 R51.2 R52.1 TP9.2
Net-(C46-Pad1): C46.1 D3.1 U6.8
Net-(C46-Pad2): C46.2 J5.1 Q9.3 Q10.2 R62.1 TP11.1 U6.6
Net-(C47-Pad1): C47.1 D4.1 U7.8
Net-(C47-Pad2): C47.2 J5.2 Q11.3 Q12.2 R63.1 TP12.1 U7.6
Net-(C49-Pad1): C49.1 R54.2 R55.2 U8.1
Net-(C49-Pad2): C49.2 R61.2 R64.1
Net-(C53-Pad1): C53.1 J5.4 R60.1 U8.6 U8.7
Net-(C53-Pad2): C53.2 R61.1 U8.3
Net-(C54-Pad1): C54.1 R62.2
Net-(C55-Pad1): C55.1 R63.2
Net-(C57-Pad1): C57.1 D5.1 U9.8
Net-(C57-Pad2): C57.2 L1.2 Q13.3 Q14.2 R69.1 TP14.1 U9.6
Net-(C61-Pad1): C61.1 R67.2 R68.2 U10.1
Net-(C61-Pad2): C61.2 R72.2 R73.2 R74.1
Net-(C62-Pad1): C62.1 R69.2
Net-(C63-Pad2): C63.2 R72.1 U10.3
